# Altium PCB IntelliModule-Alpha-PCB-Rev-B.PcbDoc
Units mm, origin at the board's own origin, x right, y up, seen from the top; angles counter-clockwise.
Board outline 30 x 42.9 mm, 4 copper layers (Top Layer, Layer 1, Layer 2, Bottom Layer), stack 0.972 mm thick; 64 components, 69 nets, 256 pads, 262 vias.
Unrouted connection lines stored in the file: 34.
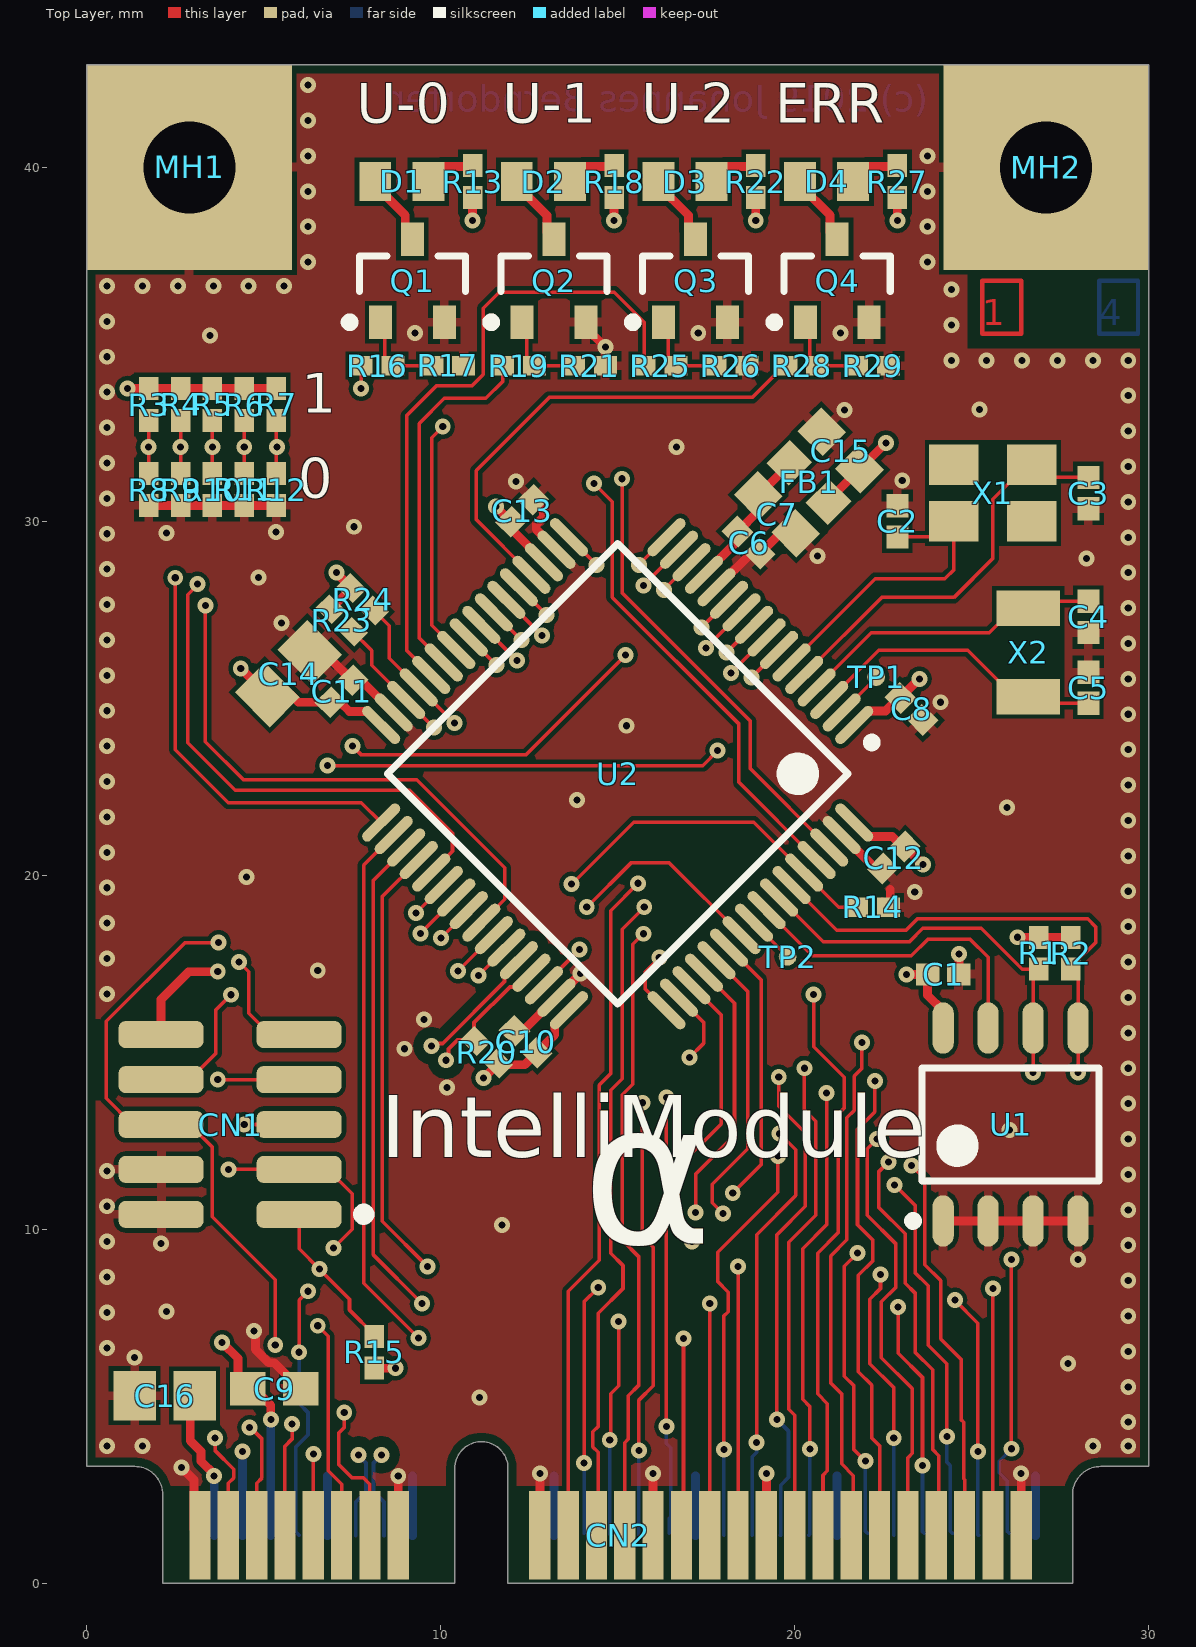
[diagram p0: Top Layer view]
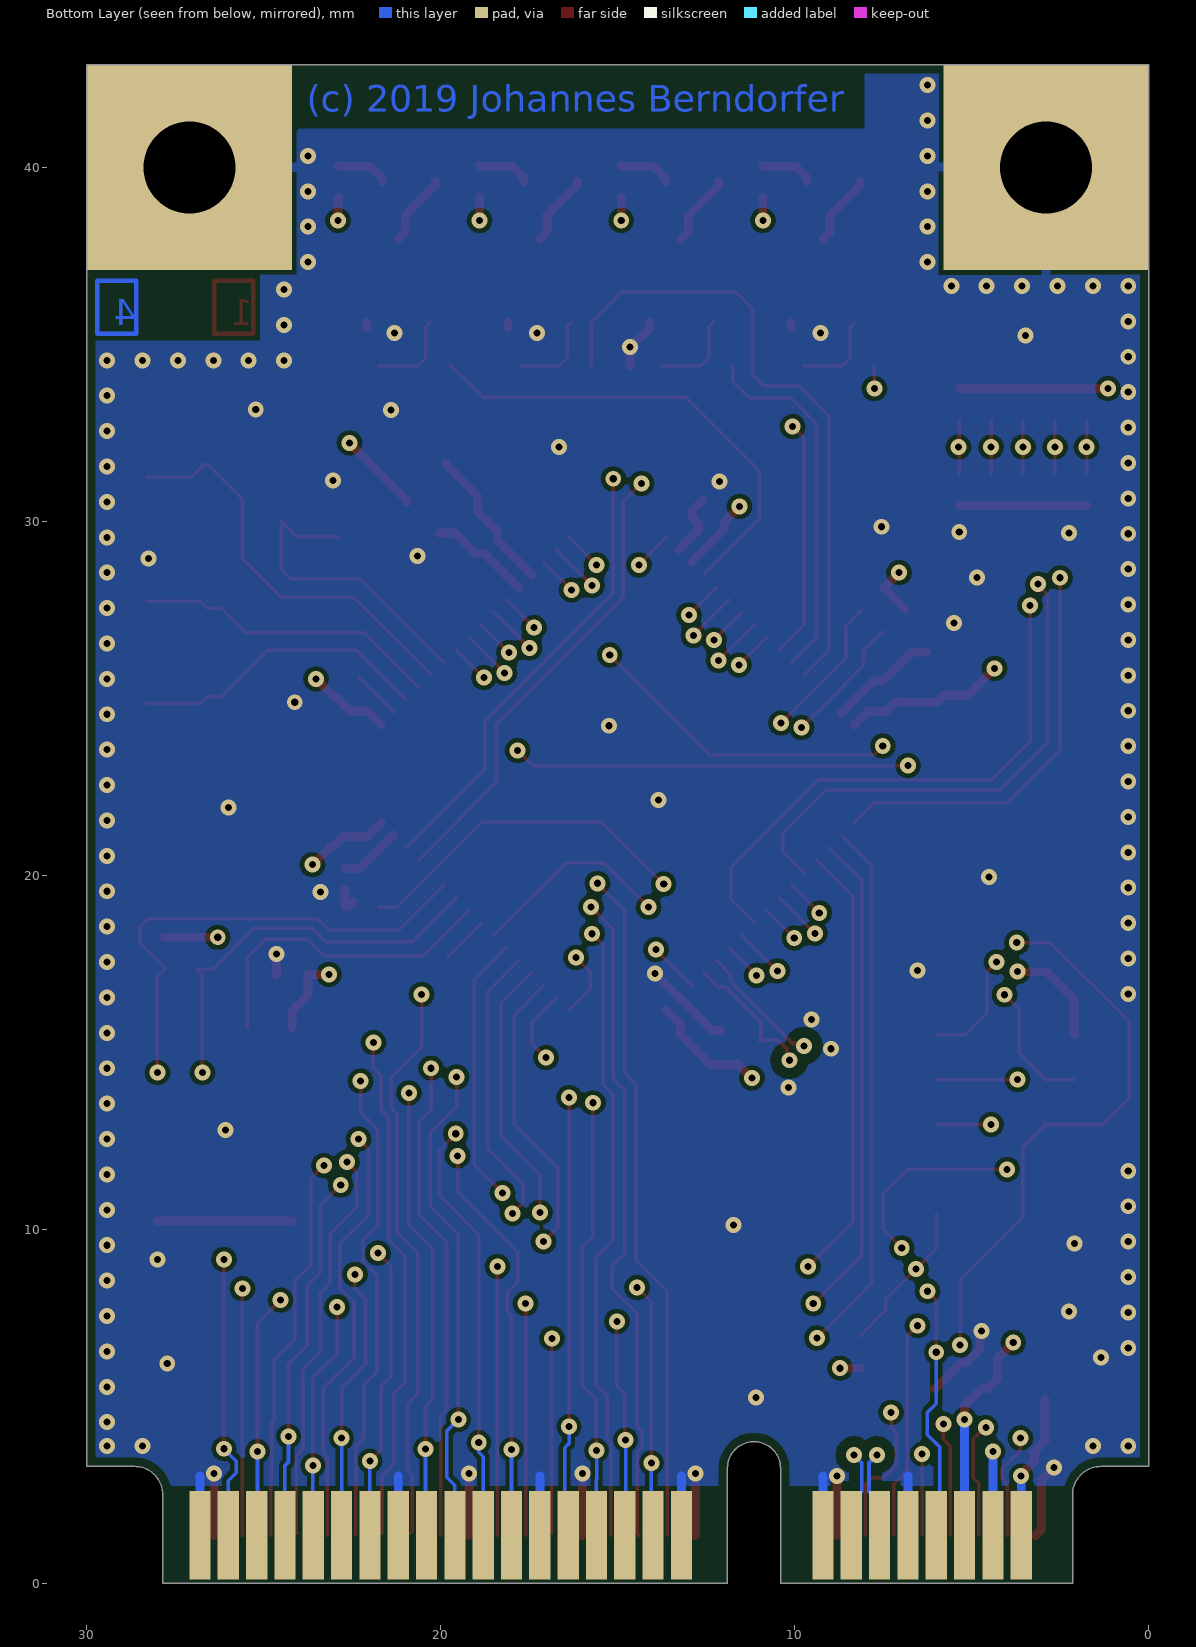
[diagram p1: Bottom Layer view, seen from below]
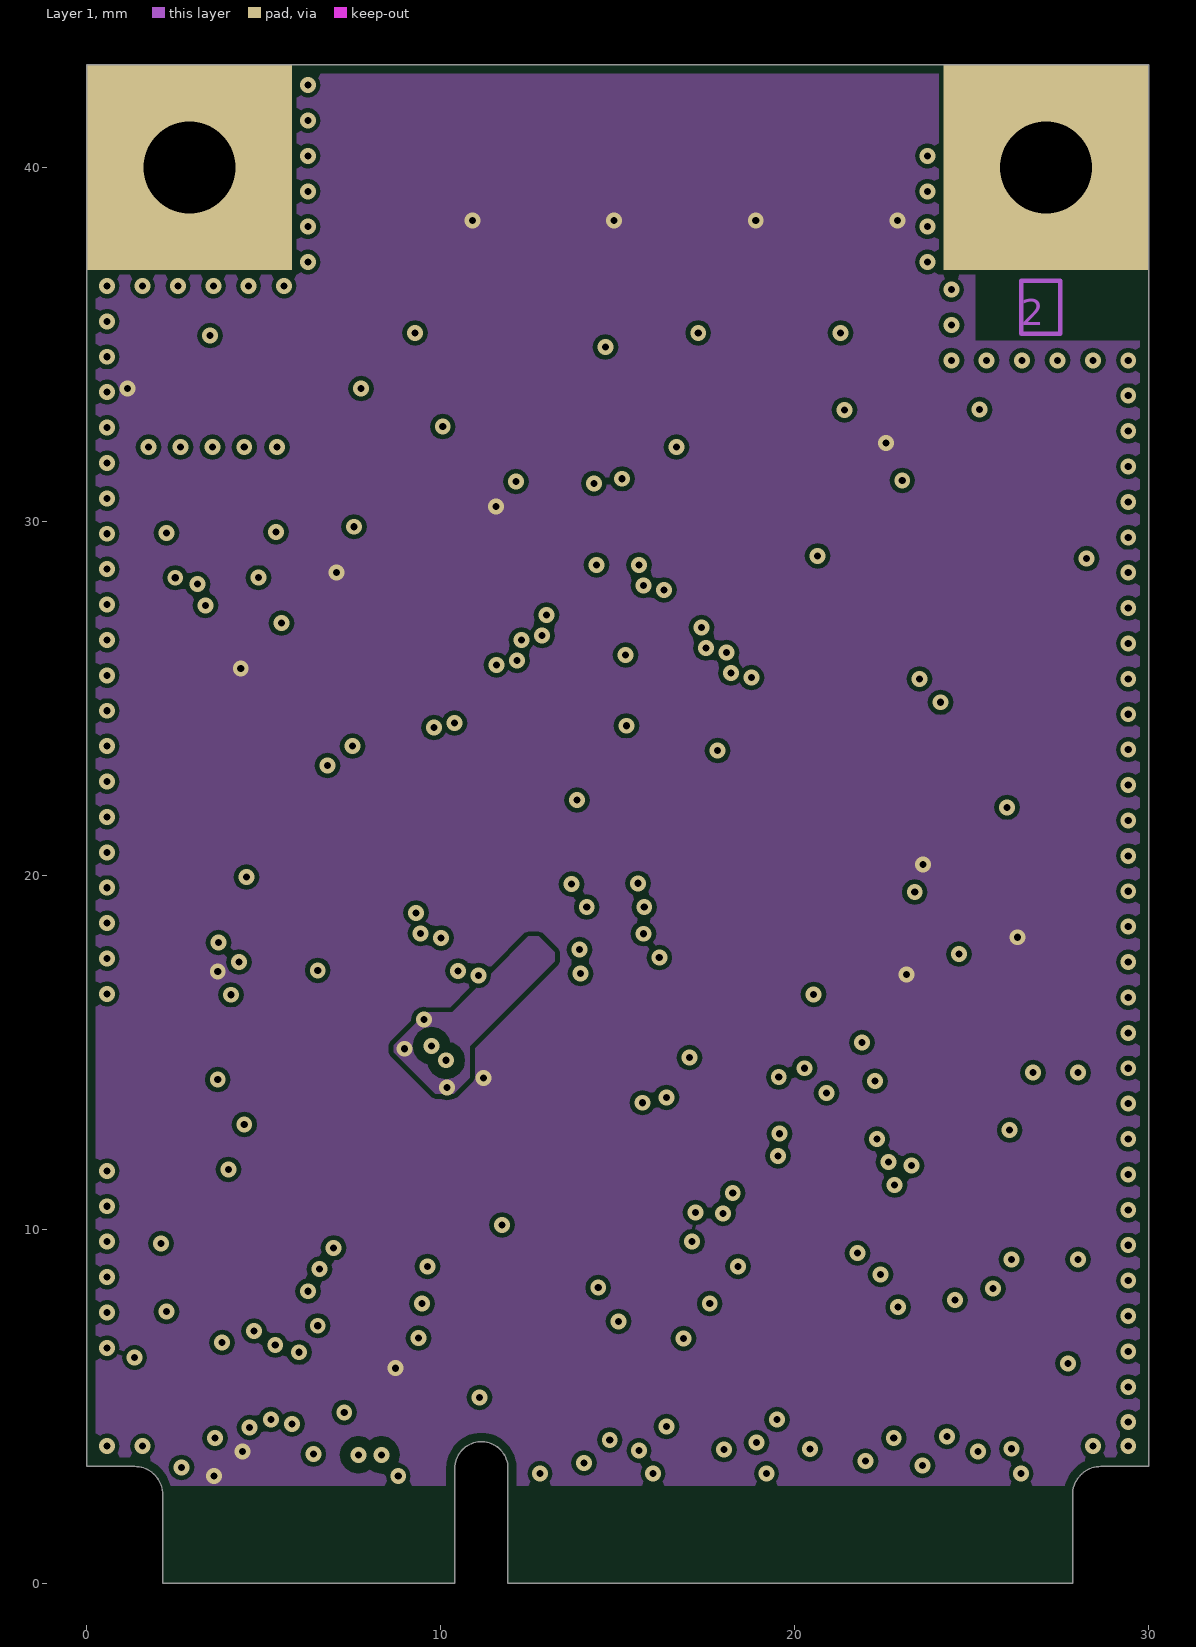
[diagram p2: Layer 1]
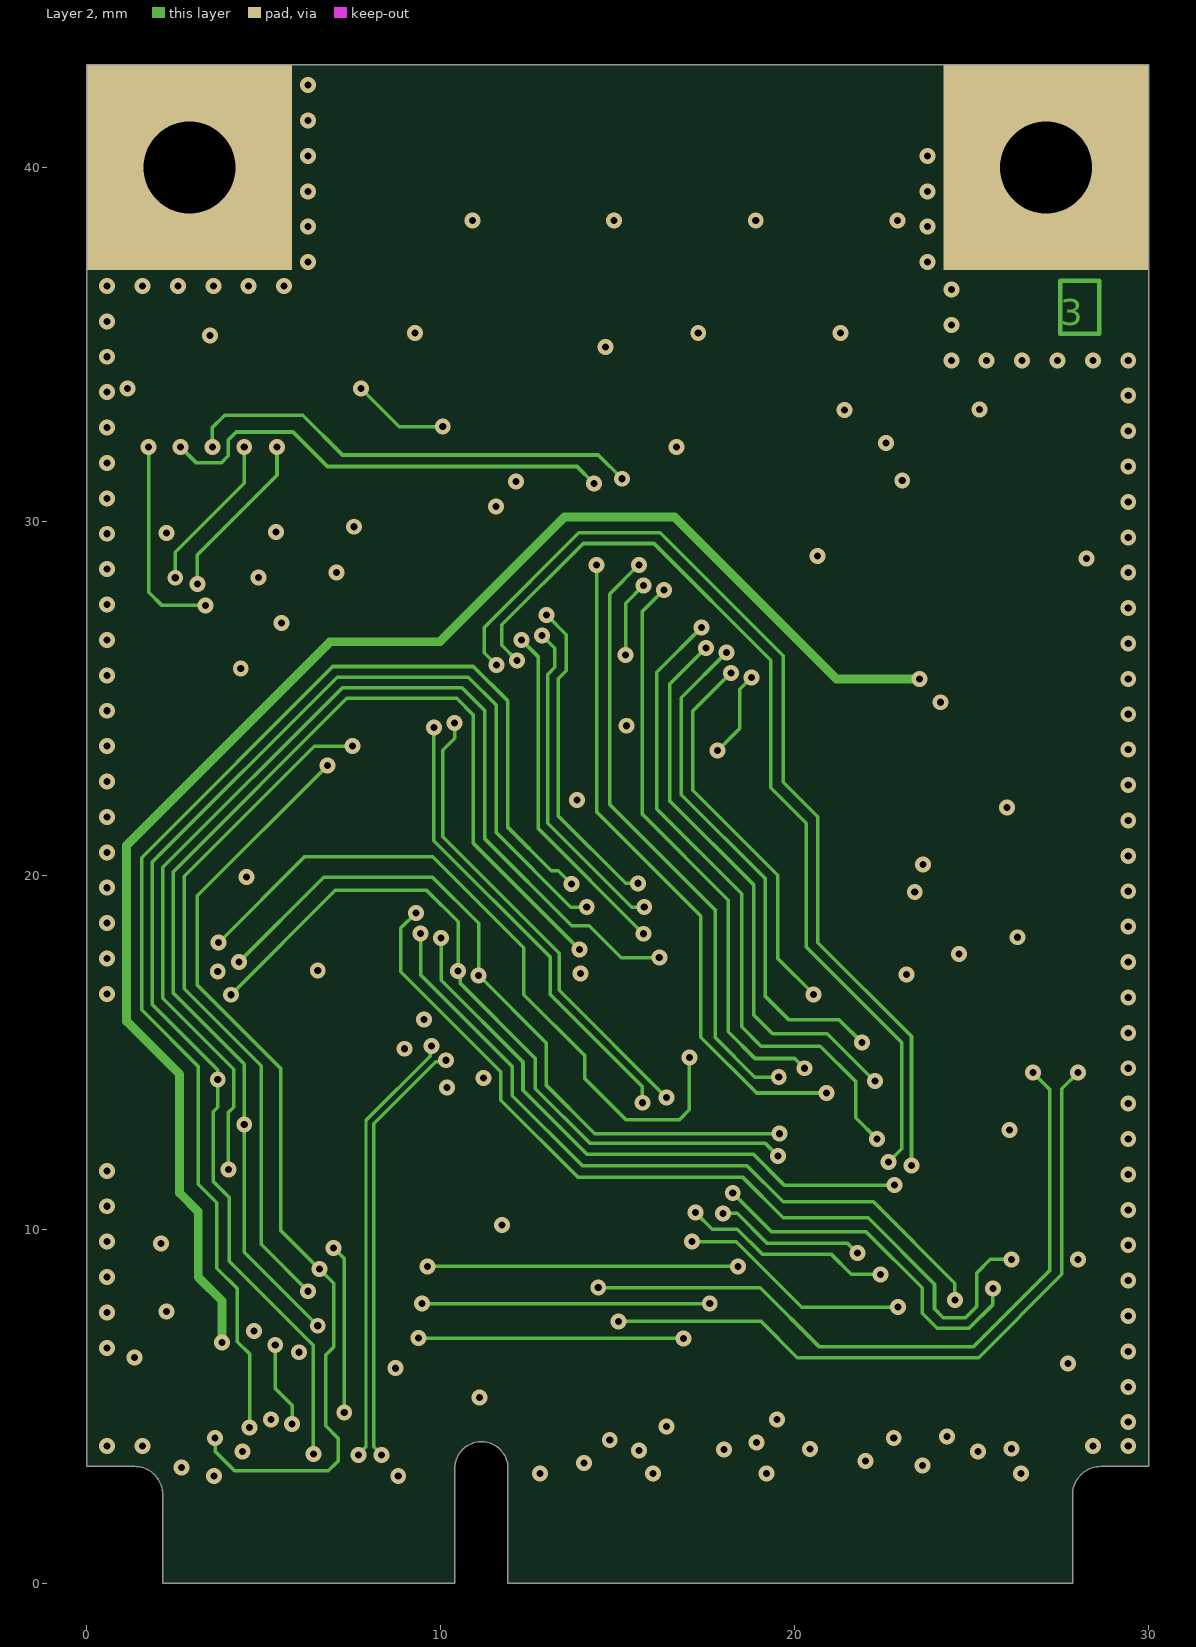
[diagram p3: Layer 2]
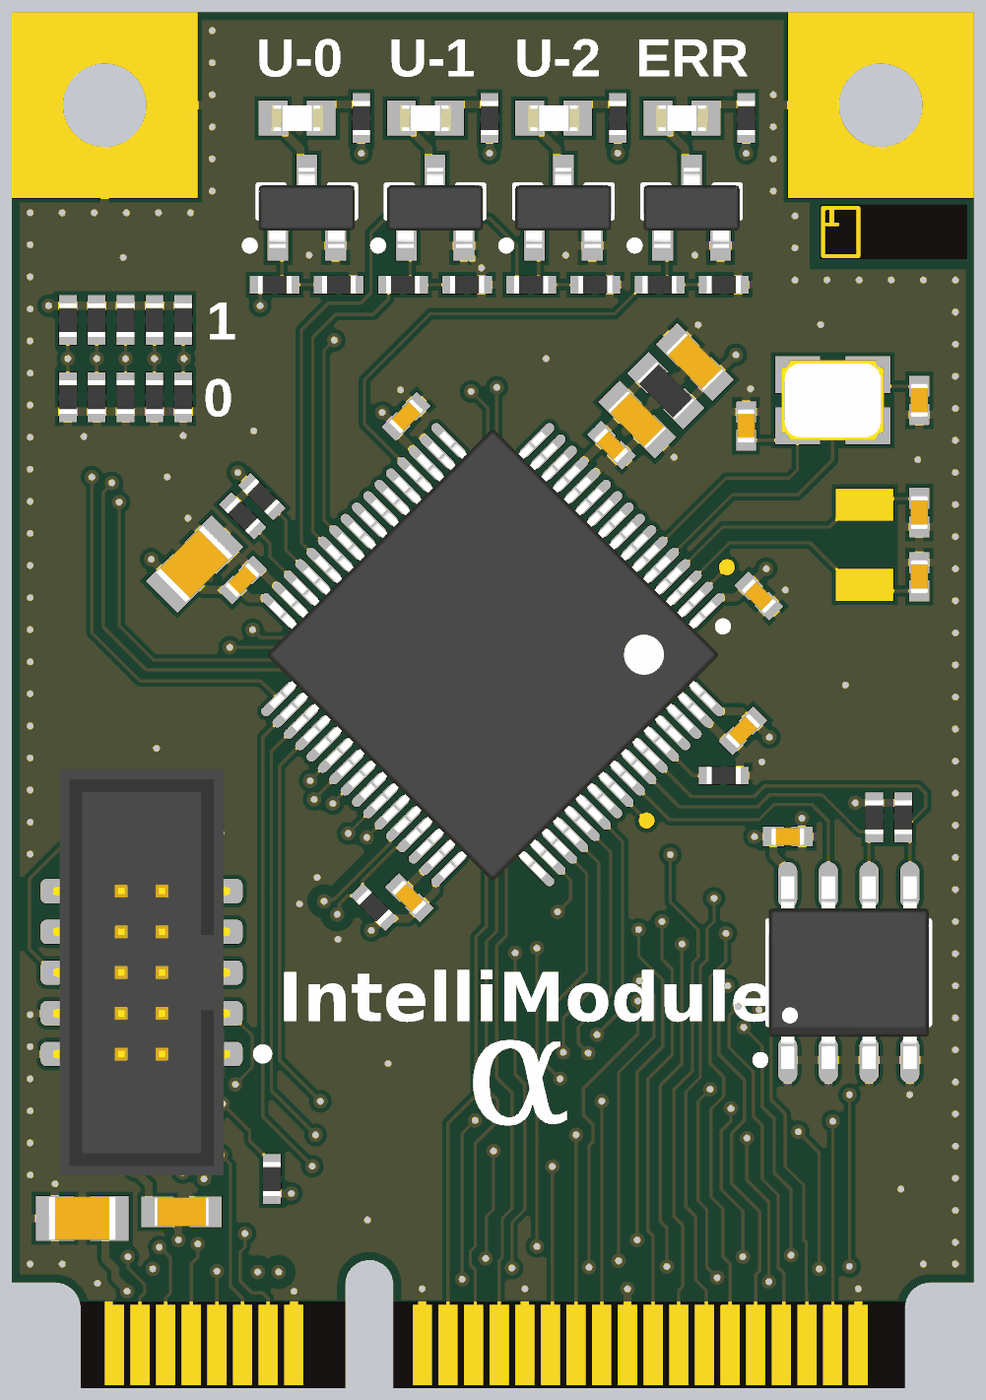
[diagram p4: 3D render of the assembled board from above, using the file's embedded part models]

## Layer stack, top to bottom
Top Solder: solder mask 0.0203, Solder Resist, Dk 3.8
Top Layer: signal copper 0.0356
Prepreg 1: prepreg 0.1, 2313-Prepreg, Dk 4.05
Layer 1: signal copper 0.0178
Core: dielectric 0.665, FR-4, Dk 4.8
Layer 2: signal copper 0.0178
Prepreg 2: prepreg 0.1, 2313-Prepreg, Dk 4.05
Bottom Layer: signal copper 0.0356
Bottom Solder: solder mask 0.0203, Solder Resist, Dk 3.8

## Board outline
2.15,0 2.15,2.5 ccw(c1.35,2.5) 1.35,3.3 0,3.3 0,42.9 30,42.9 30,3.3 28.65,3.3 ccw(c28.65,2.5) 27.85,2.5 27.85,0 11.9,0 11.9,3.25 ccw(c11.15,3.25) 10.4,3.25 10.4,0

## Design rules (kind name [scope] priority, off if disabled: settings)
BoardOutlineClearance [All] p1: gap=0 ignorepadtopadclearanceinfootprint=FALSE except(0.2: Track-OutlineEdge Track-CavityEdge Track-CutoutEdge Track-SplitBarrior Track-SplitContinuation; 0.25: Via-OutlineEdge Via-CavityEdge Via-CutoutEdge Via-SplitBarrior Via-SplitContinuation Poly-OutlineEdge Poly-CavityEdge Poly-CutoutEdge Poly-SplitBarrior Poly-SplitContinuation)
Clearance "Clearance DiffPairs" [All vs (InDifferentialPairClass('All Differential Pairs'))] p1: gap=0.089 ignorepadtopadclearanceinfootprint=FALSE except(0.127: Arc-Via Track-Via SMDPad-Via THPad-Via Via-Via Via-Fill Via-Region Via-Hole; 0.3: Arc-Poly Track-Poly SMDPad-Poly THPad-Poly Via-Poly Fill-Poly Poly-Poly Poly-Region Poly-Text Poly-Hole)
Clearance [All] p2: gap=0.089 ignorepadtopadclearanceinfootprint=FALSE except(0.127: Arc-Via Arc-Poly Track-Via Track-Poly SMDPad-Via SMDPad-Poly THPad-Via THPad-Poly Via-Via Via-Fill Via-Poly Via-Region Via-Hole Fill-Poly Poly-Poly Poly-Region Poly-Text Poly-Hole)
ComponentClearance [All] p1: gap=0 collisioncheckmode=3 verticalgap=0.2 showdistances=FALSE
DiffPairsRouting [All] p1: maxlimit=0.127 minlimit=0.1 mostfreqgap=0.127 toplayer_maxgap=0.1 toplayer_prefgap=0.1 toplayer_minwidth=0.111 toplayer_maxwidth=0.111 toplayer_prefwidth=0.111 midlayer1_mingap=0.127 midlayer1_minwidth=0.096 midlayer1_maxwidth=0.096 midlayer1_prefwidth=0.096 midlayer2_mingap=0.127 midlayer2_minwidth=0.096 midlayer2_maxwidth=0.096 midlayer2_prefwidth=0.096 bottomlayer_maxgap=0.1 bottomlayer_prefgap=0.1 bottomlayer_minwidth=0.111 bottomlayer_maxwidth=0.111 bottomlayer_prefwidth=0.111 impedanceprofiledriven=TRUE impedanceprofileid={9D5C20C9-BBEC-4FFF-8968-9C76215273FB} maxuncoupledlength=12.7
HoleSize [All] p1: absolutevalues=TRUE maxlimit=6.3 minlimit=0.2 maxpercent=80.000 minpercent=20.000
HoleToHoleClearance [All] p1: gap=0.1 allowstackedmicrovias=TRUE
MinimumSolderMaskSliver [All] p1: minsoldermaskwidth=0.1
PolygonConnect [All] p1: thpad.connectstyle=Relief thpad.reliefconductorwidth=0.254 thpad.reliefentries=4 thpad.polygonreliefangle="90 Angle" thpad.airgapwidth=0.127 smdpad.connectstyle=Relief smdpad.reliefconductorwidth=0.254 smdpad.reliefentries=4 smdpad.polygonreliefangle="90 Angle" smdpad.airgapwidth=0.127 via.connectstyle=Direct via.reliefconductorwidth=0.254 via.reliefentries=4 via.polygonreliefangle="90 Angle" via.airgapwidth=0.254
RoutingVias [All] p1: holewidth=0.2 width=0.45 viastyle="Through Hole" minholewidth=0.2 minwidth=0.45 maxholewidth=6.3 maxwidth=10
SilkToSilkClearance [All] p1: silktosilkclearance=0
SilkToSolderMaskClearance [IsPad] p1: minsilkscreentomaskgap=0.1 clearancetoexposedcopper=FALSE
SolderMaskExpansion [All] p1: expansion=0.025
Width "Width Power" [InNetClass('Power')] p1: maxlimit=10 minlimit=0.089 preferedwidth=0.25
Width "Width Default" [All] p2: maxlimit=10 minlimit=0.089 preferedwidth=0.1
23 further rules are at their usual default settings.

## Classes and differential pairs
differential pair class DIFF90: MCU_USB_D
net class Power: 3V3 3V3_VDDA_MCU GND VBAT_MCU
differential pair MCU_USB_D: +MCU_USB_D_P -MCU_USB_D_N

## Components (designator, comment, footprint, x,y, rotation, side; value= is the part's Value field where it differs from the comment)
C1 "100nF 16V" CAP-SMD-0402-0.55MM-IPC-MED 24.2,17.2 r0 top
C2 "18pF 50V" CAP-SMD-0402-0.55MM-IPC-MED 22.9,30 r90 top
C3 "18pF 50V" CAP-SMD-0402-0.55MM-IPC-MED 28.3,30.8 r270 top
C4 "22pF 50V" CAP-SMD-0402-0.55MM-IPC-MED 28.3,27.3 r270 top
C5 "22pF 50V" CAP-SMD-0402-0.55MM-IPC-MED 28.3,25.3 r90 top
C6 "100nF 16V" CAP-SMD-0402-0.55MM-IPC-MED 18.7,29.4 r315 top
C7 "1uF 16V" CAP-SMD-0603-0.9MM-IPC-MED 19.5,30.2 r315 top
C8 "100nF 16V" CAP-SMD-0402-0.55MM-IPC-MED 23.3,24.7 r315 top
C9 "1uF 16V" CAP-SMD-0603-0.9MM-IPC-MED 5.3,5.5 r0 top
C10 "100nF 16V" CAP-SMD-0402-0.55MM-IPC-MED 12.4,15.3 r135 top
C11 "100nF 16V" CAP-SMD-0402-0.55MM-IPC-MED 7.2,25.2 r45 top
C12 "100nF 16V" CAP-SMD-0402-0.55MM-IPC-MED 22.8,20.5 r225 top
C13 "100nF 16V" CAP-SMD-0402-0.55MM-IPC-MED 12.3,30.3 r45 top
C14 "10uF 10V" CAP-SMD-0805-1.35MM-IPC-MED 5.7,25.7 r45 top
C15 "1uF 16V" CAP-SMD-0603-0.9MM-IPC-MED 21.3,32 r135 top
C16 "10uF 10V" CAP-SMD-0805-1.35MM-IPC-MED 2.2,5.3 r180 top
CN1 "3220-10-0300-00" CON-SMD-PINHEADER-SHIELDED-1.27MM-10POS-2X5-3220-10-0300-00-CNC-TECH 4.05,12.96 r90 top locked
CN2 "PCB-EDGE PCIE MINI" CON-PCB-EDGE-PCIE-MINI-CARD-52POS 11.15,0 r0 top locked
D1 "150060VS75000" LED-SMD-0603 8.9,39.6 r0 top
D2 "150060VS75000" LED-SMD-0603 12.9,39.6 r0 top
D3 "150060VS75000" LED-SMD-0603 16.9,39.6 r0 top
D4 "150060SS75000" LED-SMD-0603 20.9,39.6 r0 top
FB1 "600R-100MHz 500MA" IND-SMD-0603-0.75MM-IPC-MED 20.4,31.1 r135 top
MH1 "PCIe Mini Card Hole 1" MECH-HOLE-PTH-2.6MM-5.8MMSQ-PCIEMINI 2.9,40 r0 top
MH2 "PCIe Mini Card Hole 2" MECH-HOLE-PTH-2.6MM-5.8MMSQ-PCIEMINI 27.1,40 r0 top
Q1 "DMN65D8L-7" SOT-23-3-H1.1MM-DIODES-INC 9.2,36.8 r90 top
Q2 "DMN65D8L-7" SOT-23-3-H1.1MM-DIODES-INC 13.2,36.8 r90 top
Q3 "DMN65D8L-7" SOT-23-3-H1.1MM-DIODES-INC 17.2,36.8 r90 top
Q4 "DMN65D8L-7" SOT-23-3-H1.1MM-DIODES-INC 21.2,36.8 r90 top
R1 "1.5kR 1%" RES-SMD-0402-0.4MM-IPC-MED 26.9,17.8 r270 top
R2 "1.5kR 1%" RES-SMD-0402-0.4MM-IPC-MED 27.8,17.8 r270 top
R3 "10kR 1%" RES-SMD-0402-0.4MM-IPC-MED 1.75,33.3 r270 top
R4 "10kR 1%" RES-SMD-0402-0.4MM-IPC-MED 2.65,33.3 r270 top
R5 "10kR 1%" RES-SMD-0402-0.4MM-IPC-MED 3.55,33.3 r270 top
R6 "10kR 1%" RES-SMD-0402-0.4MM-IPC-MED 4.45,33.3 r270 top
R7 "10kR 1%" RES-SMD-0402-0.4MM-IPC-MED 5.35,33.3 r270 top
R8 "10kR 1%" RES-SMD-0402-0.4MM-IPC-MED 1.75,30.9 r270 top
R9 "10kR 1%" RES-SMD-0402-0.4MM-IPC-MED 2.65,30.9 r270 top
R10 "10kR 1%" RES-SMD-0402-0.4MM-IPC-MED 3.55,30.9 r270 top
R11 "10kR 1%" RES-SMD-0402-0.4MM-IPC-MED 4.45,30.9 r270 top
R12 "10kR 1%" RES-SMD-0402-0.4MM-IPC-MED 5.35,30.9 r270 top
R13 "240R 1%" RES-SMD-0402-0.4MM-IPC-MED 10.9,39.6 r90 top
R14 "10kR 1%" RES-SMD-0402-0.4MM-IPC-MED 22.2,19.1 r180 top
R15 "10kR 1%" RES-SMD-0402-0.4MM-IPC-MED 8.118,6.525 r90 top
R16 "33R 1%" RES-SMD-0402-0.4MM-IPC-MED 8.2,34.4 r0 top
R17 "10kR 1%" RES-SMD-0402-0.4MM-IPC-MED 10.2,34.4 r0 top
R18 "240R 1%" RES-SMD-0402-0.4MM-IPC-MED 14.9,39.6 r90 top
R19 "33R 1%" RES-SMD-0402-0.4MM-IPC-MED 12.2,34.4 r0 top
R20 "1.5kR 1%" RES-SMD-0402-0.4MM-IPC-MED 11.3,15 r135 top
R21 "10kR 1%" RES-SMD-0402-0.4MM-IPC-MED 14.2,34.4 r0 top
R22 "240R 1%" RES-SMD-0402-0.4MM-IPC-MED 18.9,39.6 r90 top
R23 "1.5kR 1%" RES-SMD-0402-0.4MM-IPC-MED 7.2,27.2 r315 top
R24 "1.5kR 1%" RES-SMD-0402-0.4MM-IPC-MED 7.8,27.8 r315 top
R25 "33R 1%" RES-SMD-0402-0.4MM-IPC-MED 16.2,34.4 r0 top
R26 "10kR 1%" RES-SMD-0402-0.4MM-IPC-MED 18.2,34.4 r0 top
R27 "240R 1%" RES-SMD-0402-0.4MM-IPC-MED 22.9,39.6 r90 top
R28 "33R 1%" RES-SMD-0402-0.4MM-IPC-MED 20.2,34.4 r0 top
R29 "10kR 1%" RES-SMD-0402-0.4MM-IPC-MED 22.2,34.4 r0 top
TP1 "RTC_TAMPER" TP-SMD-CIRCULAR-0.5MM 22.3,25.6 r90 top
TP2 "JTRSTN" TP-SMD-CIRCULAR-0.5MM 19.8,17.7 r90 top
U1 "CAT24C512WI-GT3" SOIC-8-H1.75MM-P1.27MM-ONSEMI 26.1,12.96 r90 top
U2 "STM32F103RCT6TR" LQFP-64-10X10MM-H1.6MM-P0.5MM-ST 15,22.869 r225 top locked
X1 "16MHz 9pF" XTAL-SMD-4-SMD-3.2X2.5MM 25.6,30.8 r180 top
X2 "32.768kHz 12.5pF" XTAL-SMD-2-SMD-3.2X1.5MM 26.6,26.3 r90 top

## Footprints (in the part's own frame and the unit in brackets; to place one, negate y for a bottom-side part, rotate by r counter-clockwise, add the part's x,y. Pads: shape width x height; smd on the part's side, far side on the other; paste and mask are expansions set on the pad)
CAP-SMD-0402-0.55MM-IPC-MED [mm] "0402 Capacitor, 0.55mm Height, IPC Medium Density"
  rect 0.66x0.62 smd: 1(-0.44,0) 2(0.44,0)
  body extent -0.53,-0.28 0.53,0.28, height 0.55
CAP-SMD-0603-0.9MM-IPC-MED [mm] "0603 Capacitor, 0.9mm Height, IPC Medium Density"
  rect 1x0.95 smd: 1(-0.75,0) 2(0.75,0)
  body extent -0.85,-0.45 0.85,0.45, height 0.9
CAP-SMD-0805-1.35MM-IPC-MED [mm] "0805 Capacitor, 1.35mm Height, IPC Medium Density"
  rect 1.2x1.4 smd: 1(-0.85,0) 2(0.85,0)
  body extent -1.05,-0.67 1.05,0.67, height 1.35
CON-PCB-EDGE-PCIE-MINI-CARD-52POS [mm]
  rect 0.6x2.5 smd paste-5: 1(-7.95,1.35) 3(-7.15,1.35) 5(-6.35,1.35) 7(-5.55,1.35) 9(-4.75,1.35) 11(-3.95,1.35) 13(-3.15,1.35) 15(-2.35,1.35) 17(1.65,1.35) 19(2.45,1.35) 21(3.25,1.35) 23(4.05,1.35) 25(4.85,1.35) 27(5.65,1.35) 29(6.45,1.35) 31(7.25,1.35) 33(8.05,1.35) 35(8.85,1.35) 37(9.65,1.35) 39(10.45,1.35) 41(11.25,1.35) 43(12.05,1.35) 45(12.85,1.35) 47(13.65,1.35) 49(14.45,1.35) 51(15.25,1.35)
  rect 0.6x2.5 smd far side: 2(-7.55,1.35) 4(-6.75,1.35) 6(-5.95,1.35) 8(-5.15,1.35) 10(-4.35,1.35) 12(-3.55,1.35) 14(-2.75,1.35) 16(-1.95,1.35)
  rect 0.6x2.5 smd far side paste-5: 18(2.05,1.35) 20(2.85,1.35) 22(3.65,1.35) 24(4.45,1.35) 26(5.25,1.35) 28(6.05,1.35) 30(6.85,1.35) 32(7.65,1.35) 34(8.45,1.35) 36(9.25,1.35) 38(10.05,1.35) 40(10.85,1.35) 42(11.65,1.35) 44(12.45,1.35) 46(13.25,1.35) 48(14.05,1.35) 50(14.85,1.35) 52(15.65,1.35)
CON-SMD-PINHEADER-SHIELDED-1.27MM-10POS-2X5-3220-10-0300-00-CNC-TECH [mm] "3220-10-0300-00 2X5 1.27mm Pinheader SMD Connector, CNC Tech"
  rrect50% 0.76x2.4 smd: 1(-2.54,-1.95) 2(-2.54,1.95) 3(-1.27,-1.95) 4(-1.27,1.95) 5(0,-1.95) 6(0,1.95) 7(1.27,-1.95) 8(1.27,1.95) 9(2.54,-1.95) 10(2.54,1.95)
  body extent -6.32,-2.75 6.33,2.75, height 5.6
IND-SMD-0603-0.75MM-IPC-MED [mm] "0603 Inductor, 0.75mm Height, IPC Medium Density"
  rect 0.89x0.94 smd: 1(-0.785,0) 2(0.785,0)
  body extent -0.85,-0.45 0.85,0.45, height 0.75
LED-SMD-0603 [mm] "0603 SMD LED"
  rect 0.9x1.1 smd: 1(-0.75,0) 2(0.75,0)
  body extent -0.8,-0.4 0.8,0.4, height 1.1
LQFP-64-10X10MM-H1.6MM-P0.5MM-ST [mm]
  oval 1.4x0.3 smd: 1(-5.7,3.75) 2(-5.7,3.25) 3(-5.7,2.75) 4(-5.7,2.25) 5(-5.7,1.75) 6(-5.7,1.25) 7(-5.7,0.75) 8(-5.7,0.25) 9(-5.7,-0.25) 10(-5.7,-0.75) 11(-5.7,-1.25) 12(-5.7,-1.75) 13(-5.7,-2.25) 14(-5.7,-2.75) 15(-5.7,-3.25) 16(-5.7,-3.75) 33(5.7,-3.75) 34(5.7,-3.25) 35(5.7,-2.75) 36(5.7,-2.25) 37(5.7,-1.75) 38(5.7,-1.25) 39(5.7,-0.75) 40(5.7,-0.25) 41(5.7,0.25) 42(5.7,0.75) 43(5.7,1.25) 44(5.7,1.75) 45(5.7,2.25) 46(5.7,2.75) 47(5.7,3.25) 48(5.7,3.75)
  oval 0.3x1.4 smd: 17(-3.75,-5.7) 18(-3.25,-5.7) 19(-2.75,-5.7) 20(-2.25,-5.7) 21(-1.75,-5.7) 22(-1.25,-5.7) 23(-0.75,-5.7) 24(-0.25,-5.7) 25(0.25,-5.7) 26(0.75,-5.7) 27(1.25,-5.7) 28(1.75,-5.7) 29(2.25,-5.7) 30(2.75,-5.7) 31(3.25,-5.7) 32(3.75,-5.7) 49(3.75,5.7) 50(3.25,5.7) 51(2.75,5.7) 52(2.25,5.7) 53(1.75,5.7) 54(1.25,5.7) 55(0.75,5.7) 56(0.25,5.7) 57(-0.25,5.7) 58(-0.75,5.7) 59(-1.25,5.7) 60(-1.75,5.7) 61(-2.25,5.7) 62(-2.75,5.7) 63(-3.25,5.7) 64(-3.75,5.7)
  silkscreen extent -5.82,-4.6 4.6,4.6, body extent -6,-6 6,6, height 1.6
MECH-HOLE-PTH-2.6MM-5.8MMSQ-PCIEMINI [mm]
  rect 5.8x5.8 hole 2.6: 1(0,0)
RES-SMD-0402-0.4MM-IPC-MED [mm] "0402 Resistor, 0.4mm Height, IPC Medium Density"
  rect 0.65x0.55 smd: 1(-0.45,0) 2(0.45,0)
  body extent -0.53,-0.28 0.53,0.28, height 0.4
SOIC-8-H1.75MM-P1.27MM-ONSEMI [mm]
  oval 1.45x0.6 smd: 1(-2.725,1.905) 2(-2.725,0.635) 3(-2.725,-0.635) 4(-2.725,-1.905) 5(2.725,-1.905) 6(2.725,-0.635) 7(2.725,0.635) 8(2.725,1.905)
  silkscreen extent -2.85,-2.5 1.6,2.88, body extent -3,-2.5 3,2.5, height 1.75
SOT-23-3-H1.1MM-DIODES-INC [mm]
  rect 0.95x0.65 smd: 1(-1.175,0.9) 2(-1.175,-0.9) 3(1.175,0)
  silkscreen extent -1.3,-1.5 0.7,1.9, body extent -1.25,-1.5 1.25,1.5, height 1.1
TP-SMD-CIRCULAR-0.5MM [mm]
  round 0.5 smd paste-5: 1(0,0)
XTAL-SMD-2-SMD-3.2X1.5MM [mm] "2-SMD 3.2x1.5mm Crystal"
  rect 1x1.8 smd paste-5: 1(-1.25,0) 2(1.25,0)
  body extent -1.6,-0.75 1.6,0.75, height 0.9
XTAL-SMD-4-SMD-3.2X2.5MM [mm] "4-SMD 3.2x2.5mm Crystal"
  rect 1.4x1.15 smd: 1(-1.1,-0.8) 2(1.1,-0.8) 3(1.1,0.8) 4(-1.1,0.8)
  body extent -1.6,-1.25 1.6,1.25, height 0.65
